# Altium PCB as_x31.PcbDoc (part 4 of 8)
Units mm, origin at the board's own origin, x right, y up, seen from the top; angles counter-clockwise.
Board outline 130 x 100 mm, 6 copper layers (Top Layer, Ground_1, int_1, int_2, Power, Bottom Layer), stack 1.49 mm thick; 424 components, 381 nets, 2569 pads, 1355 vias.
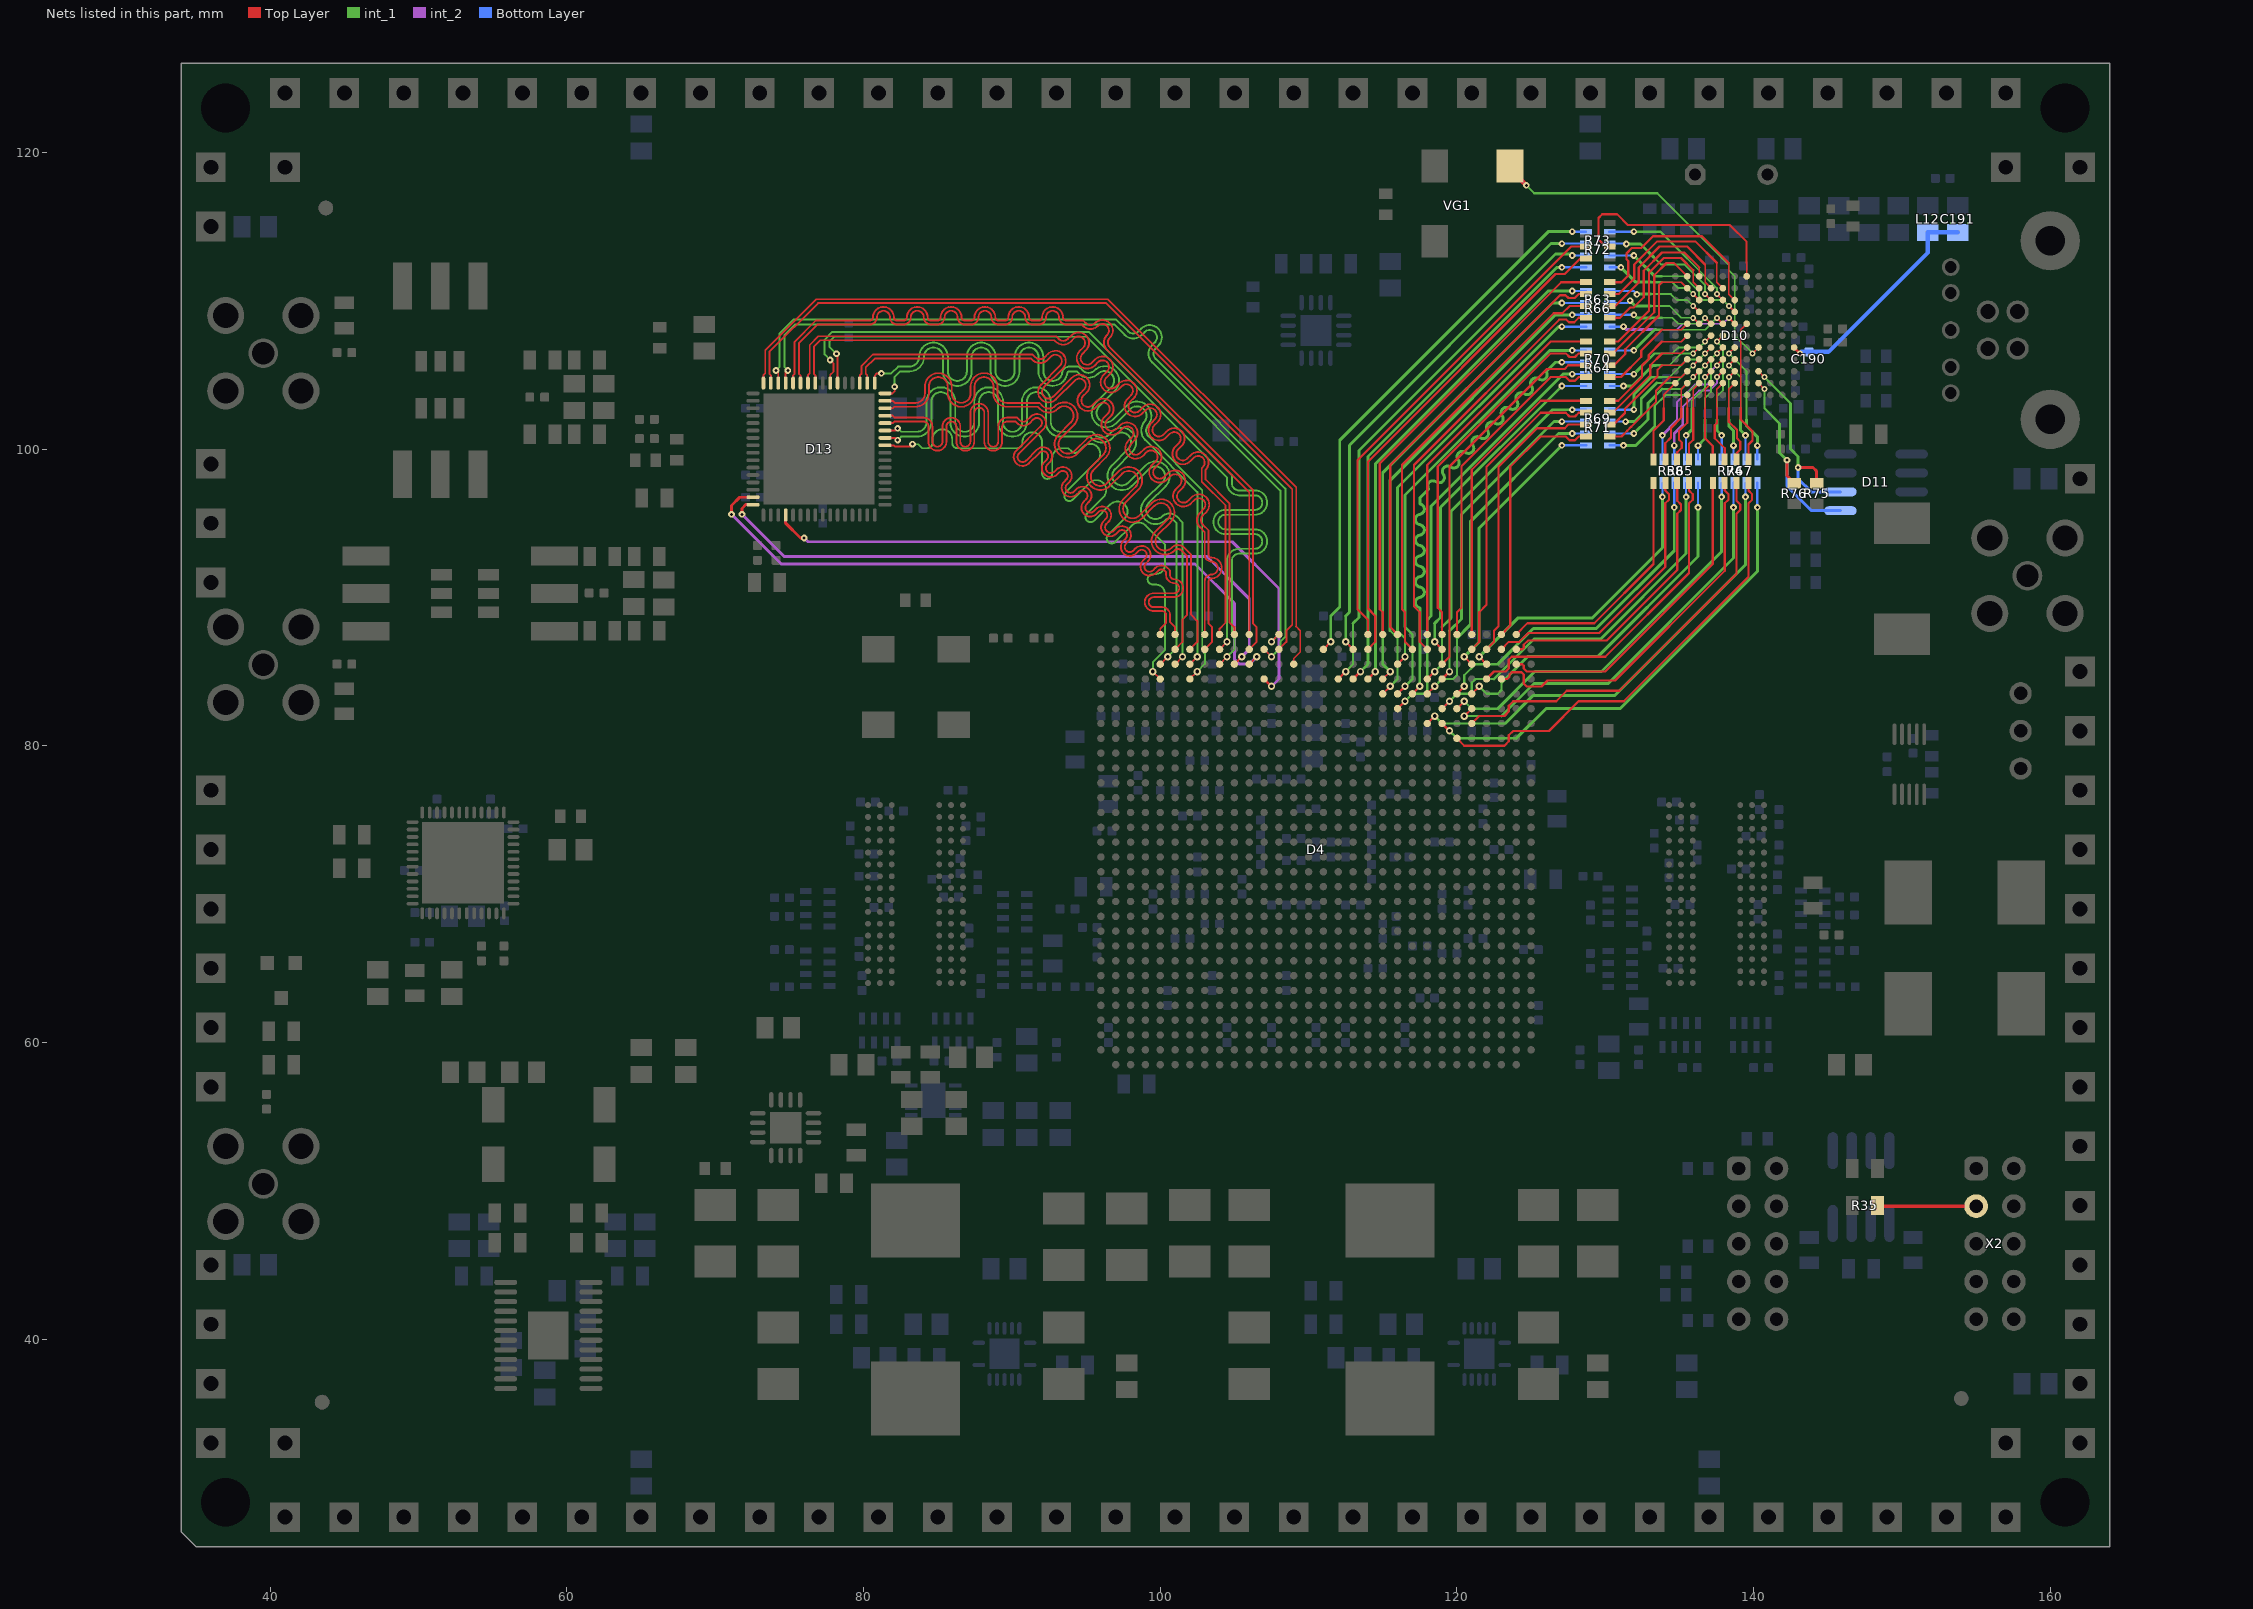
[diagram p8: the nets of this part, all layers, seen from the top]

## Via types
v1: diameter 0.5, hole 0.25, Top Layer to Bottom Layer, 538 vias
v2: diameter 0.45, hole 0.2, Top Layer to Bottom Layer, tented both sides, 353 vias
v3: diameter 0.65, hole 0.3, Top Layer to Bottom Layer, 223 vias
v4: diameter 0.5, hole 0.2, Top Layer to Bottom Layer, tented both sides, 96 vias
v5: diameter 0.4, hole 0.2, Top Layer to Bottom Layer, tented both sides, 83 vias
v6: diameter 0.75, hole 0.4, Top Layer to Bottom Layer, 46 vias
v7: diameter 0.6, hole 0.3, Top Layer to Bottom Layer, 12 vias
v8: diameter 0.5, hole 0.2, Top Layer to Bottom Layer, 4 vias

## Nets (pads, with @x,y where several pads share a name; then routed paths per layer and width w, separated by ;. In a path a pad name is that pad's centre, name@x,y a point inside that pad or via, vN(x,y) a via of type N, cw(c..) or ccw(c..) an arc to the next point about the centre after c; other vN are vias at no path point) (continued)
ADC_D4_P: D4.E27 D13.9 | length 54.8
  Top Layer w0.125: D13.9@81.45,100.25 82.031,100.25 82.119,100.162 83.138,100.162 v2(83.3,100.325) ; v1(99.5,85) D4.E27@100,84.5
  int_1 w0.13: v2(83.3,100.325) 83.675,100.325 83.945,100.055 84.3,100.055 ccw(c84.3,100.395) 84.64,100.395 84.64,100.66 cw(c85.31,100.66) 85.98,100.66 85.98,100.395 ccw(c86.32,100.395) 86.32,100.055 90.36,100.055 ccw(c90.36,100.395) 90.7,100.395 90.7,100.455 cw(c91.37,100.455) 92.04,100.455 92.04,98.328 ccw(c92.38,98.328) 92.72,98.328 92.72,99.385 cw(c93.39,99.385) 93.39,100.055 93.812,100.055 94.023,99.844 ccw(c94.263,100.084) 94.504,99.844 94.812,100.153 cw(c95.286,99.679) 95.956,99.679 cw(c95.286,99.679) 95.76,99.205 93.631,97.077 ccw(c93.872,96.836) 93.631,96.596 ; 93.632,96.595 ccw(c93.872,96.836) 94.112,96.596 95.218,97.701 cw(c95.691,97.228) 96.165,97.701 cw(c95.691,97.228) 96.361,97.228 cw(c95.691,97.228) 96.165,96.754 95.06,95.648 ccw(c95.3,95.408) 95.059,95.168 ; 95.06,95.168 ccw(c95.3,95.408) 95.541,95.168 96.646,96.273 cw(c97.12,95.799) 97.594,96.273 cw(c97.12,95.799) 97.79,95.799 cw(c97.12,95.799) 97.594,95.326 96.488,94.22 ccw(c96.728,93.98) 96.488,93.74 ; 96.488,93.739 ccw(c96.728,93.98) 96.969,93.739 98.074,94.845 cw(c98.548,94.371) 99.022,94.845 100.33,93.537 100.33,92.228 cw(c99.66,92.228) 99.66,91.558 99.49,91.558 ccw(c99.49,91.218) 99.49,90.878 99.66,90.878 cw(c99.66,90.208) 100.33,90.208 100.33,86.463 99.5,85.633 v1(99.5,85)
ADC_D5_N: D4.E30 D13.12 | length 56.4
  Top Layer w0.125: D13.12@81.45,101.75 81.97,101.75 82.07,101.85 84.04,101.85 cw(c84.04,101.513) 84.378,101.513 84.378,100.495 ccw(c84.98,100.495) 85.583,100.495 85.583,101.513 cw(c85.92,101.513) 86.258,101.513 86.258,100.495 ccw(c86.86,100.495) 87.463,100.495 87.463,102.449 cw(c87.8,102.449) 88.138,102.449 88.138,100.495 ccw(c88.74,100.495) 89.343,100.495 89.343,101.513 cw(c89.68,101.513) 89.68,101.85 90.25,101.85 90.349,101.751 ccw(c90.775,102.177) 91.201,101.751 91.449,101.998 cw(c91.687,101.76) 91.925,101.999 ; 91.926,101.998 cw(c91.687,101.76) 92.025,101.76 cw(c91.687,101.76) 91.926,101.521 90.294,99.889 ccw(c90.72,99.463) 91.146,99.037 91.866,99.757 cw(c92.104,99.518) 92.343,99.757 cw(c92.104,99.518) 92.442,99.518 cw(c92.104,99.518) 92.343,99.28 92.202,99.138 ccw(c92.628,98.712) 93.054,98.286 93.195,98.428 cw(c93.434,98.189) 93.672,98.428 ; 93.672,98.428 cw(c93.434,98.189) 93.771,98.189 cw(c93.434,98.189) 93.672,97.95 93.531,97.809 ccw(c93.957,97.383) 94.383,96.957 94.525,97.098 cw(c94.763,96.86) 95.002,97.098 cw(c94.763,96.86) 95.101,96.86 cw(c94.763,96.86) 95.002,96.621 94.861,96.48 ccw(c95.287,96.054) 95.713,95.628 95.854,95.769 cw(c96.093,95.53) 96.331,95.769 cw(c96.093,95.53) 96.43,95.53 cw(c96.093,95.53) 96.331,95.291 96.19,95.15 ccw(c96.616,94.724) 97.042,94.298 97.183,94.439 cw(c97.422,94.201) 97.661,94.439 ; 97.661,94.439 cw(c97.422,94.201) 97.759,94.201 cw(c97.422,94.201) 97.661,93.962 97.519,93.821 ccw(c97.945,93.395) 98.371,92.969 98.513,93.11 cw(c98.751,92.871) 98.989,93.111 ; 98.99,93.11 cw(c98.751,92.871) 99.089,92.871 cw(c98.751,92.871) 98.99,92.633 98.849,92.492 ccw(c99.275,92.066) 99.701,91.64 99.86,91.799 cw(c100.081,91.579) 100.301,91.799 100.4,91.7 100.4,91.505 ccw(c100.948,91.505) 100.948,90.957 cw(c100.948,90.62) 101.285,90.62 cw(c100.948,90.62) 100.948,90.282 99.56,90.282 ccw(c99.56,89.68) 99.56,89.077 100.123,89.077 cw(c100.123,88.8) 100.4,88.8 100.4,88.3 100,87.9 D4.E30@100,87.5
ADC_D5_P: D4.F30 D13.13 | length 56.8
  Top Layer w0.125: D13.13@81.45,102.25 81.97,102.25 82.105,102.115 84.04,102.115 cw(c84.04,101.513) 84.643,101.513 84.643,100.495 ccw(c84.98,100.495) 85.318,100.495 85.318,101.513 cw(c85.92,101.513) 86.523,101.513 86.523,100.495 ccw(c86.86,100.495) 87.198,100.495 87.198,102.449 cw(c87.8,102.449) 88.403,102.449 88.403,100.495 ccw(c88.74,100.495) 89.078,100.495 89.078,101.513 cw(c89.68,101.513) 89.68,102.115 90.36,102.115 90.536,101.938 ccw(c90.775,102.177) 91.014,101.938 91.261,102.186 cw(c91.687,101.76) 92.29,101.76 cw(c91.687,101.76) 92.113,101.334 90.482,99.702 ccw(c90.72,99.463) 90.481,99.225 ccw(c90.72,99.463) 90.959,99.225 91.678,99.944 cw(c92.104,99.518) 92.707,99.518 cw(c92.104,99.518) 92.53,99.092 92.389,98.951 ccw(c92.628,98.712) 92.389,98.474 ccw(c92.628,98.712) 92.867,98.474 93.008,98.615 cw(c93.434,98.189) 94.036,98.189 cw(c93.434,98.189) 93.86,97.763 93.719,97.622 ccw(c93.957,97.383) 93.718,97.145 ccw(c93.957,97.383) 94.196,97.144 94.337,97.286 cw(c94.763,96.86) 95.189,97.286 cw(c94.763,96.86) 95.366,96.86 cw(c94.763,96.86) 95.189,96.433 95.048,96.292 ccw(c95.287,96.054) 95.048,95.816 ccw(c95.287,96.054) 95.525,95.815 95.667,95.956 cw(c96.093,95.53) 96.519,95.956 cw(c96.093,95.53) 96.695,95.53 cw(c96.093,95.53) 96.519,95.104 96.377,94.963 ccw(c96.616,94.724) 96.377,94.486 ; 96.377,94.486 ccw(c96.616,94.724) 96.855,94.486 96.996,94.627 cw(c97.422,94.201) 98.024,94.201 cw(c97.422,94.201) 97.848,93.775 97.707,93.634 ccw(c97.945,93.395) 97.707,93.156 ; 97.707,93.156 ccw(c97.945,93.395) 98.184,93.156 98.325,93.297 cw(c98.751,92.871) 99.354,92.871 cw(c98.751,92.871) 99.177,92.445 99.036,92.304 ccw(c99.275,92.066) 99.036,91.827 ccw(c99.275,92.066) 99.513,91.827 99.673,91.987 cw(c100.081,91.579) 100.488,91.987 100.665,91.81 100.665,91.505 ccw(c100.948,91.505) 100.948,91.222 cw(c100.948,90.62) 101.55,90.62 cw(c100.948,90.62) 100.948,90.017 99.56,90.017 ccw(c99.56,89.68) 99.56,89.342 100.123,89.342 cw(c100.123,88.8) 100.665,88.8 100.665,88.335 101,88 D4.F30@101,87.5
ADC_D6_N: D4.F29 D13.14 | length 52.5
  Top Layer w0.125: D13.14@81.45,102.75 81.97,102.75 82.07,102.85 83.5,102.85 ccw(c83.5,103.753) 84.403,103.753 84.403,104.213 cw(c85.04,104.213) 85.678,104.213 85.678,103.753 ccw(c86.58,103.753) 87.483,103.753 87.483,104.213 cw(c88.12,104.213) 88.758,104.213 88.758,103.753 ccw(c89.66,103.753) 89.66,102.85 91.75,102.85 91.902,102.698 ccw(c92.487,103.283) 93.072,102.698 cw(c93.523,102.247) 93.973,102.698 ; 93.974,102.698 cw(c93.523,102.247) 94.161,102.247 cw(c93.523,102.247) 93.974,101.796 93.141,100.964 ccw(c93.779,100.325) 94.417,99.687 95.25,100.52 cw(c95.701,100.069) 96.151,100.52 cw(c95.701,100.069) 96.338,100.069 cw(c95.701,100.069) 96.152,99.618 95.319,98.786 ccw(c95.957,98.147) 96.595,97.509 97.428,98.342 cw(c97.879,97.891) 98.329,98.343 cw(c97.879,97.891) 98.516,97.891 cw(c97.879,97.891) 98.33,97.441 97.497,96.608 ccw(c98.135,95.97) 98.773,95.331 99.606,96.164 cw(c100.057,95.713) 100.508,96.164 ; 100.508,96.164 cw(c100.057,95.713) 100.694,95.713 cw(c100.057,95.713) 100.508,95.263 99.675,94.43 ccw(c100.313,93.792) 100.951,93.153 cw(c101.199,92.906) 101.446,93.153 101.8,92.8 101.8,88.8 101.5,88.5 101.5,87 D4.F29@101,86.5
ADC_D6_P: D4.G29 D13.15 | length 53
  Top Layer w0.125: D13.15@81.45,103.25 81.97,103.25 82.105,103.115 83.5,103.115 ccw(c83.5,103.753) 84.138,103.753 84.138,104.213 cw(c85.04,104.213) 85.943,104.213 85.943,103.753 ccw(c86.58,103.753) 87.218,103.753 87.218,104.213 cw(c88.12,104.213) 89.023,104.213 89.023,103.753 ccw(c89.66,103.753) 89.66,103.115 91.86,103.115 92.09,102.885 ccw(c92.487,103.283) 92.885,102.885 cw(c93.523,102.247) 94.426,102.247 cw(c93.523,102.247) 94.161,101.609 93.328,100.776 ccw(c93.779,100.325) 93.328,99.875 ; 93.328,99.875 ccw(c93.779,100.325) 94.23,99.875 95.063,100.707 cw(c95.701,100.069) 96.603,100.069 cw(c95.701,100.069) 96.339,99.431 95.506,98.598 ccw(c95.957,98.147) 95.506,97.697 ; 95.506,97.697 ccw(c95.957,98.147) 96.408,97.697 97.241,98.529 cw(c97.879,97.891) 98.781,97.891 cw(c97.879,97.891) 98.517,97.253 97.684,96.42 ccw(c98.135,95.97) 97.684,95.519 ; 97.685,95.518 ccw(c98.135,95.97) 98.586,95.519 99.419,96.352 cw(c100.057,95.713) 100.959,95.713 cw(c100.057,95.713) 100.695,95.075 99.862,94.242 ccw(c100.313,93.792) 99.862,93.341 ; 99.862,93.341 ccw(c100.313,93.792) 100.764,93.341 cw(c101.199,92.906) 101.634,93.341 102.065,92.91 102.065,90.135 102.075,90.125 102.075,88.825 102.5,88.4 102.5,87 D4.G29@102,86.5
ADC_D7_N: D4.G28 D13.16 | length 54.6
  Top Layer w0.125: D13.16@81.45,103.75 81.95,103.75 82.1,103.9 v2(82.1,104.2) ; D4.G28@102,85.5 v1(102.5,86)
  int_1 w0.13: v2(82.1,104.2) 82.1,104.867 82.467,105.233 83.1,105.233 ccw(c83.1,106.203) 84.07,106.203 ; 84.07,106.206 cw(c84.71,106.206) 85.35,106.206 85.35,105.228 ccw(c86.32,105.228) 87.29,105.228 87.29,106.206 cw(c87.93,106.206) 88.57,106.206 88.57,105.228 ccw(c89.54,105.228) 90.51,105.228 90.51,106.206 cw(c91.15,106.206) 91.79,106.206 91.79,105.228 ccw(c92.76,105.228) 93.702,104.997 ccw(c93.565,105.089) 93.73,105.089 cw(c93.875,105.089) 93.875,105.233 94.367,105.233 94.533,105.067 ccw(c95.167,105.701) 95.801,105.067 cw(c96.253,104.614) 96.893,104.614 cw(c96.253,104.614) 96.706,104.162 95.664,103.12 ccw(c96.35,102.434) 97.035,101.748 97.979,102.691 cw(c98.432,102.239) 99.072,102.239 cw(c98.432,102.239) 98.884,101.786 ccw(c99.001,101.67) 98.838,101.695 ccw(c99.616,101.251) 98.983,100.617 102.5,97.1 v1(102.5,86)
ADC_D7_P: D4.G27 D13.17 | length 56.7
  Top Layer w0.125: D13.17@80.75,104.45 80.75,104.95 80.9,105.1 v2(81.2,105.1) ; D4.G27@102,84.5 v1(102.5,85)
  int_1 w0.13: v2(81.2,105.1) 81.867,105.1 82.33,105.563 83.1,105.563 ccw(c83.1,106.203) 83.74,106.203 ; 83.74,106.206 cw(c84.71,106.206) 85.68,106.206 85.68,105.228 ccw(c86.32,105.228) 86.96,105.228 86.96,106.206 cw(c87.93,106.206) 88.9,106.206 88.9,105.228 ccw(c89.54,105.228) 90.18,105.228 90.18,106.206 cw(c91.15,106.206) 92.12,106.206 92.12,105.228 ccw(c92.76,105.228) 93.4,105.228 cw(c93.565,105.228) 93.5,105.379 cw(c93.875,105.089) 93.875,105.563 94.503,105.563 94.766,105.3 ccw(c95.167,105.701) 95.567,105.3 cw(c96.253,104.614) 97.223,104.614 cw(c96.253,104.614) 96.939,103.929 95.897,102.886 ccw(c96.35,102.434) 96.802,101.981 97.746,102.925 cw(c98.432,102.239) 99.402,102.239 cw(c98.432,102.239) 99.261,101.736 cw(c99.099,101.768) 99.216,101.652 ccw(c99.616,101.251) 99.216,100.851 102.83,97.237 102.83,86.398 103.015,86.213 103.015,85.515 v1(102.5,85)
ADC_D8_N: D4.H30 D13.18 | length 53.5
  Top Layer w0.125: D13.18@80.25,104.45 80.25,104.97 80.15,105.07 80.15,105.5 80.75,106.1 91.3,106.1 91.399,106.001 ccw(c91.896,106.498) 92.393,106.001 92.622,106.231 cw(c92.932,105.921) 93.369,105.921 cw(c92.932,105.921) 93.241,105.612 91.973,104.344 ccw(c92.469,103.847) 92.966,103.35 94.235,104.618 cw(c94.544,104.309) 94.981,104.309 cw(c94.544,104.309) 94.853,104 94.623,103.77 ccw(c95.12,103.273) 94.623,102.777 ccw(c95.12,103.273) 95.617,102.777 95.847,103.006 cw(c96.156,102.697) 96.594,102.697 cw(c96.156,102.697) 96.465,102.388 96.236,102.158 ccw(c96.732,101.661) 97.229,101.164 97.459,101.394 cw(c97.768,101.085) 98.206,101.085 cw(c97.768,101.085) 98.078,100.775 97.848,100.546 ccw(c98.345,100.049) 98.841,99.552 99.071,99.782 cw(c99.381,99.473) 99.818,99.473 cw(c99.381,99.473) 99.69,99.163 99.46,98.933 ccw(c99.957,98.437) 99.46,97.94 ccw(c99.957,98.437) 100.454,97.94 100.683,98.17 cw(c100.993,97.86) 101.43,97.86 cw(c100.993,97.86) 101.302,97.551 101.072,97.321 ccw(c101.569,96.824) 102.066,96.328 102.296,96.557 cw(c102.605,96.248) 103.042,96.248 cw(c102.605,96.248) 102.914,95.939 102.685,95.709 ccw(c103.181,95.212) 102.685,94.715 103,94.4 103,92.865 ccw(c103.448,92.865) 103.448,92.417 cw(c103.448,91.98) 103.885,91.98 cw(c103.448,91.98) 103.448,91.542 ccw(c103.448,91.095) 103,91.095 103,88.235 D4.H30@103,87.5
ADC_D8_P: D4.H29 D13.19 | length 55.8
  Top Layer w0.125: D13.19@79.75,104.45 79.75,104.97 79.85,105.07 79.85,105.589 80.636,106.375 88.125,106.375 88.135,106.365 91.41,106.365 91.586,106.188 ccw(c91.896,106.498) 92.205,106.188 92.435,106.418 cw(c92.932,105.921) 93.634,105.921 cw(c92.932,105.921) 93.428,105.425 92.16,104.156 ccw(c92.469,103.847) 92.779,103.537 94.047,104.806 cw(c94.544,104.309) 95.246,104.309 cw(c94.544,104.309) 95.041,103.812 94.811,103.583 ccw(c95.12,103.273) 94.811,102.964 ccw(c95.12,103.273) 95.43,102.964 95.659,103.194 cw(c96.156,102.697) 96.859,102.697 cw(c96.156,102.697) 96.653,102.2 96.423,101.97 ccw(c96.732,101.661) 97.042,101.352 97.272,101.581 cw(c97.768,101.085) 98.471,101.085 cw(c97.768,101.085) 98.265,100.588 98.035,100.358 ccw(c98.345,100.049) 98.654,99.739 98.884,99.969 cw(c99.381,99.473) 100.083,99.473 cw(c99.381,99.473) 99.877,98.976 99.647,98.746 ccw(c99.957,98.437) 99.647,98.127 ccw(c99.957,98.437) 100.266,98.127 100.496,98.357 cw(c100.993,97.86) 101.695,97.86 cw(c100.993,97.86) 101.489,97.364 101.26,97.134 ccw(c101.569,96.824) 101.878,96.515 102.108,96.745 cw(c102.605,96.248) 103.307,96.248 cw(c102.605,96.248) 103.102,95.751 102.872,95.522 ccw(c103.181,95.212) 102.872,94.903 103.265,94.51 103.265,92.865 ccw(c103.448,92.865) 103.448,92.682 cw(c103.448,91.98) 104.15,91.98 cw(c103.448,91.98) 103.448,91.277 ccw(c103.448,91.095) 103.265,91.095 103.265,88.235 103.5,88 103.5,87 D4.H29@103,86.5
ADC_D9_N: D4.J29 D13.22 | length 54.8
  Top Layer w0.125: v2(78.174,106.424) 78.25,106.349 78.25,105 D13.22@78.25,104.45 ; D4.J29@104,86.5 v1(104.5,87)
  int_1 w0.13: v2(78.174,106.424) 77.7,106.899 77.7,107.233 78.037,107.57 95.03,107.57 104.5,98.1 104.5,97.7 ccw(c105.32,97.7) 105.32,96.88 106.387,96.88 cw(c106.387,96.39) 106.877,96.39 cw(c106.387,96.39) 106.387,95.9 104.4,95.9 ccw(c104.4,95.08) 104.4,94.26 106.387,94.26 cw(c106.387,93.77) 106.877,93.77 cw(c106.387,93.77) 106.387,93.28 105.32,93.28 ccw(c105.32,92.46) 104.5,92.46 104.5,87.398 v1(104.5,87)
ADC_D9_P: D4.J28 D13.23 | length 57.3
  Top Layer w0.125: D13.23@77.75,104.45 77.75,105 77.975,105.225 77.975,105.775 v2(77.75,106) ; D4.J28@104,85.5 v1(104.5,86)
  int_1 w0.13: v2(77.75,106) 77.37,106.38 77.37,107.37 77.9,107.9 95.167,107.9 104.83,98.237 104.83,97.7 ccw(c105.32,97.7) 105.32,97.21 106.387,97.21 cw(c106.387,96.39) 107.207,96.39 cw(c106.387,96.39) 106.387,95.57 104.4,95.57 ccw(c104.4,95.08) 104.4,94.59 106.387,94.59 cw(c106.387,93.77) 107.207,93.77 cw(c106.387,93.77) 106.387,92.95 105.32,92.95 ccw(c105.32,92.46) 104.83,92.46 104.83,87.398 105.015,87.213 105.015,86.515 v1(104.5,86)
ADC_D10_N: D4.J30 D13.25 | length 55.1
  Top Layer w0.125: D13.25@76.75,104.45 76.75,104.97 76.65,105.07 76.65,106.9 77.085,107.335 92.865,107.335 92.964,107.236 ccw(c93.461,107.733) 93.958,107.236 94.186,107.465 cw(c94.496,107.155) 94.933,107.155 cw(c94.496,107.155) 94.805,106.846 94.576,106.617 ccw(c95.073,106.12) 95.57,105.624 95.799,105.853 cw(c96.108,105.543) 96.545,105.543 cw(c96.108,105.543) 96.417,105.234 96.188,105.005 ccw(c96.685,104.508) 96.188,104.012 ccw(c96.685,104.508) 97.182,104.012 97.411,104.24 cw(c97.72,103.931) 98.158,103.931 cw(c97.72,103.931) 98.03,103.622 97.801,103.393 ccw(c98.297,102.896) 98.794,102.399 99.023,102.628 cw(c99.332,102.319) 99.77,102.319 cw(c99.332,102.319) 99.642,102.009 99.413,101.781 ccw(c99.91,101.284) 100.406,100.787 100.635,101.016 cw(c100.945,100.707) 101.382,100.707 cw(c100.945,100.707) 101.254,100.397 101.025,100.168 ccw(c101.522,99.672) 101.025,99.175 ccw(c101.522,99.672) 102.019,99.175 102.247,99.404 cw(c102.557,99.094) 102.994,99.094 cw(c102.557,99.094) 102.866,98.785 102.8,98.719 102.8,97.8 104.4,96.2 104.4,88.3 104,87.9 D4.J30@104,87.5
ADC_D10_P: D4.K30 D13.26 | length 56
  Top Layer w0.125: D13.26@76.25,104.45 76.25,104.97 76.375,105.095 76.375,107.014 76.961,107.6 92.975,107.6 93.151,107.423 ccw(c93.461,107.733) 93.77,107.423 93.999,107.652 cw(c94.496,107.155) 95.198,107.155 cw(c94.496,107.155) 94.993,106.659 94.764,106.43 ccw(c95.073,106.12) 95.382,105.811 95.611,106.04 cw(c96.108,105.543) 96.81,105.543 cw(c96.108,105.543) 96.605,105.046 96.376,104.818 ccw(c96.685,104.508) 96.376,104.199 ccw(c96.685,104.508) 96.995,104.199 97.223,104.428 cw(c97.72,103.931) 98.423,103.931 cw(c97.72,103.931) 98.217,103.434 97.988,103.205 ccw(c98.297,102.896) 98.607,102.587 98.836,102.816 cw(c99.332,102.319) 100.035,102.319 cw(c99.332,102.319) 99.829,101.822 99.6,101.593 ccw(c99.91,101.284) 100.219,100.974 100.448,101.203 cw(c100.945,100.707) 101.647,100.707 cw(c100.945,100.707) 101.441,100.21 101.212,99.981 ccw(c101.522,99.672) 101.212,99.362 ccw(c101.522,99.672) 101.831,99.362 102.06,99.591 cw(c102.557,99.094) 103.259,99.094 cw(c102.557,99.094) 103.054,98.598 103.054,97.954 103.05,97.95 104.665,96.335 104.665,88.335 105,88 D4.K30@105,87.5
ADC_D11_N: D4.L30 D13.27 | length 55.5
  Top Layer w0.125: D13.27@75.75,104.45 75.75,104.97 75.64,105.08 75.64,107.14 76.9,108.4 80.42,108.4 ccw(c80.42,108.883) 80.903,108.883 cw(c81.34,108.883) 81.778,108.883 ccw(c82.26,108.883) 82.26,108.4 82.7,108.4 ccw(c82.7,108.883) 83.183,108.883 cw(c83.62,108.883) 84.058,108.883 ccw(c84.54,108.883) 84.54,108.4 84.98,108.4 ccw(c84.98,108.883) 85.463,108.883 cw(c85.9,108.883) 86.338,108.883 ccw(c86.82,108.883) 86.82,108.4 87.26,108.4 ccw(c87.26,108.883) 87.743,108.883 cw(c88.18,108.883) 88.618,108.883 ccw(c89.1,108.883) 89.1,108.4 89.54,108.4 ccw(c89.54,108.883) 90.023,108.883 cw(c90.46,108.883) 90.898,108.883 ccw(c91.38,108.883) 91.38,108.4 91.82,108.4 ccw(c91.82,108.883) 92.303,108.883 cw(c92.74,108.883) 93.178,108.883 ccw(c93.66,108.883) 93.66,108.4 94.7,108.4 94.799,108.301 ccw(c95.296,108.798) 95.793,108.301 cw(c96.102,107.992) 96.539,107.992 cw(c96.102,107.992) 96.411,107.682 ccw(c96.908,107.185) 96.411,106.689 106,97.1 D4.L30@106,87.5
ADC_D11_P: D4.L29 D13.28 | length 57.7
  Top Layer w0.125: D13.28@75.25,104.45 75.25,104.97 75.338,105.058 75.338,107.212 76.79,108.665 80.42,108.665 ccw(c80.42,108.883) 80.637,108.883 cw(c81.34,108.883) 82.043,108.883 ccw(c82.26,108.883) 82.26,108.665 82.7,108.665 ccw(c82.7,108.883) 82.918,108.883 cw(c83.62,108.883) 84.323,108.883 ccw(c84.54,108.883) 84.54,108.665 84.98,108.665 ccw(c84.98,108.883) 85.198,108.883 cw(c85.9,108.883) 86.603,108.883 ccw(c86.82,108.883) 86.82,108.665 87.26,108.665 ccw(c87.26,108.883) 87.478,108.883 cw(c88.18,108.883) 88.883,108.883 ccw(c89.1,108.883) 89.1,108.665 89.54,108.665 ccw(c89.54,108.883) 89.758,108.883 cw(c90.46,108.883) 91.163,108.883 ccw(c91.38,108.883) 91.38,108.665 91.82,108.665 ccw(c91.82,108.883) 92.038,108.883 cw(c92.74,108.883) 93.443,108.883 ccw(c93.66,108.883) 93.66,108.665 94.81,108.665 94.986,108.488 ccw(c95.296,108.798) 95.605,108.488 cw(c96.102,107.992) 96.804,107.992 cw(c96.102,107.992) 96.599,107.495 ; 96.598,107.494 ccw(c96.908,107.185) 96.599,106.876 106.265,97.21 106.265,88.235 106.5,88 106.5,87 D4.L29@106,86.5
ADC_D12_N: D4.N30 D13.29 | length 54.9
  Top Layer w0.125: D13.29@74.75,104.45 74.75,105.15 v2(74.9,105.3) ; v1(107.5,87) D4.N30@108,87.5
  int_1 w0.13: v2(74.9,105.3) 74.665,105.535 74.665,107.665 75.4,108.4 96.9,108.4 97.6,107.7 ccw(c98.18,108.28) 98.76,107.7 98.94,107.88 cw(c99.286,107.534) 99.632,107.881 ; 99.633,107.88 cw(c99.286,107.534) 99.776,107.534 cw(c99.286,107.534) 99.633,107.187 99.453,107.007 ccw(c100.032,106.427) 99.453,105.847 108.1,97.2 108.1,87.6 v1(107.5,87)
ADC_D12_P: D4.M29 D13.30 | length 57.1
  Top Layer w0.125: v2(74.1,105.3) 74.25,105.15 D13.30@74.25,104.45 ; D4.M29@107,86.5 v1(107.5,86)
  int_1 w0.13: v2(74.1,105.3) 74.335,105.535 74.335,107.802 75.263,108.73 97.037,108.73 97.833,107.933 ccw(c98.18,108.28) 98.526,107.933 98.707,108.114 cw(c99.286,107.534) 100.106,107.534 cw(c99.286,107.534) 99.866,106.954 99.686,106.774 ccw(c100.032,106.427) 99.686,106.081 108.43,97.337 108.43,87.33 108.1,87 108.1,86.6 v1(107.5,86)
ADC_D13_N: D4.N29 D13.31 | length 55.1
  Top Layer w0.125: D13.31@73.75,104.45 73.75,104.97 73.65,105.07 73.65,106.55 76.935,109.835 96.365,109.835 108.9,97.3 108.9,88.15 108.5,87.75 108.5,87 D4.N29@108,86.5
ADC_D13_P: D4.P28 D13.32 | length 56.9
  Top Layer w0.125: D13.32@73.25,104.45 73.25,104.97 73.375,105.095 73.375,106.664 76.811,110.1 96.475,110.1 109.165,97.41 109.165,88.04 109.162,88.038 109.438,87.762 109.438,86.319 109,85.881 D4.P28@109,85.5
ADC_DCO_N: D4.E28 D13.10 | length 55.6
  Top Layer w0.125: D13.10@81.45,100.75 82.15,100.75 v2(82.3,100.6) ; D4.E28@100,85.5 v1(100.5,86)